# Altium PCB neuro_module.PcbDoc (part 3 of 5) (continued)
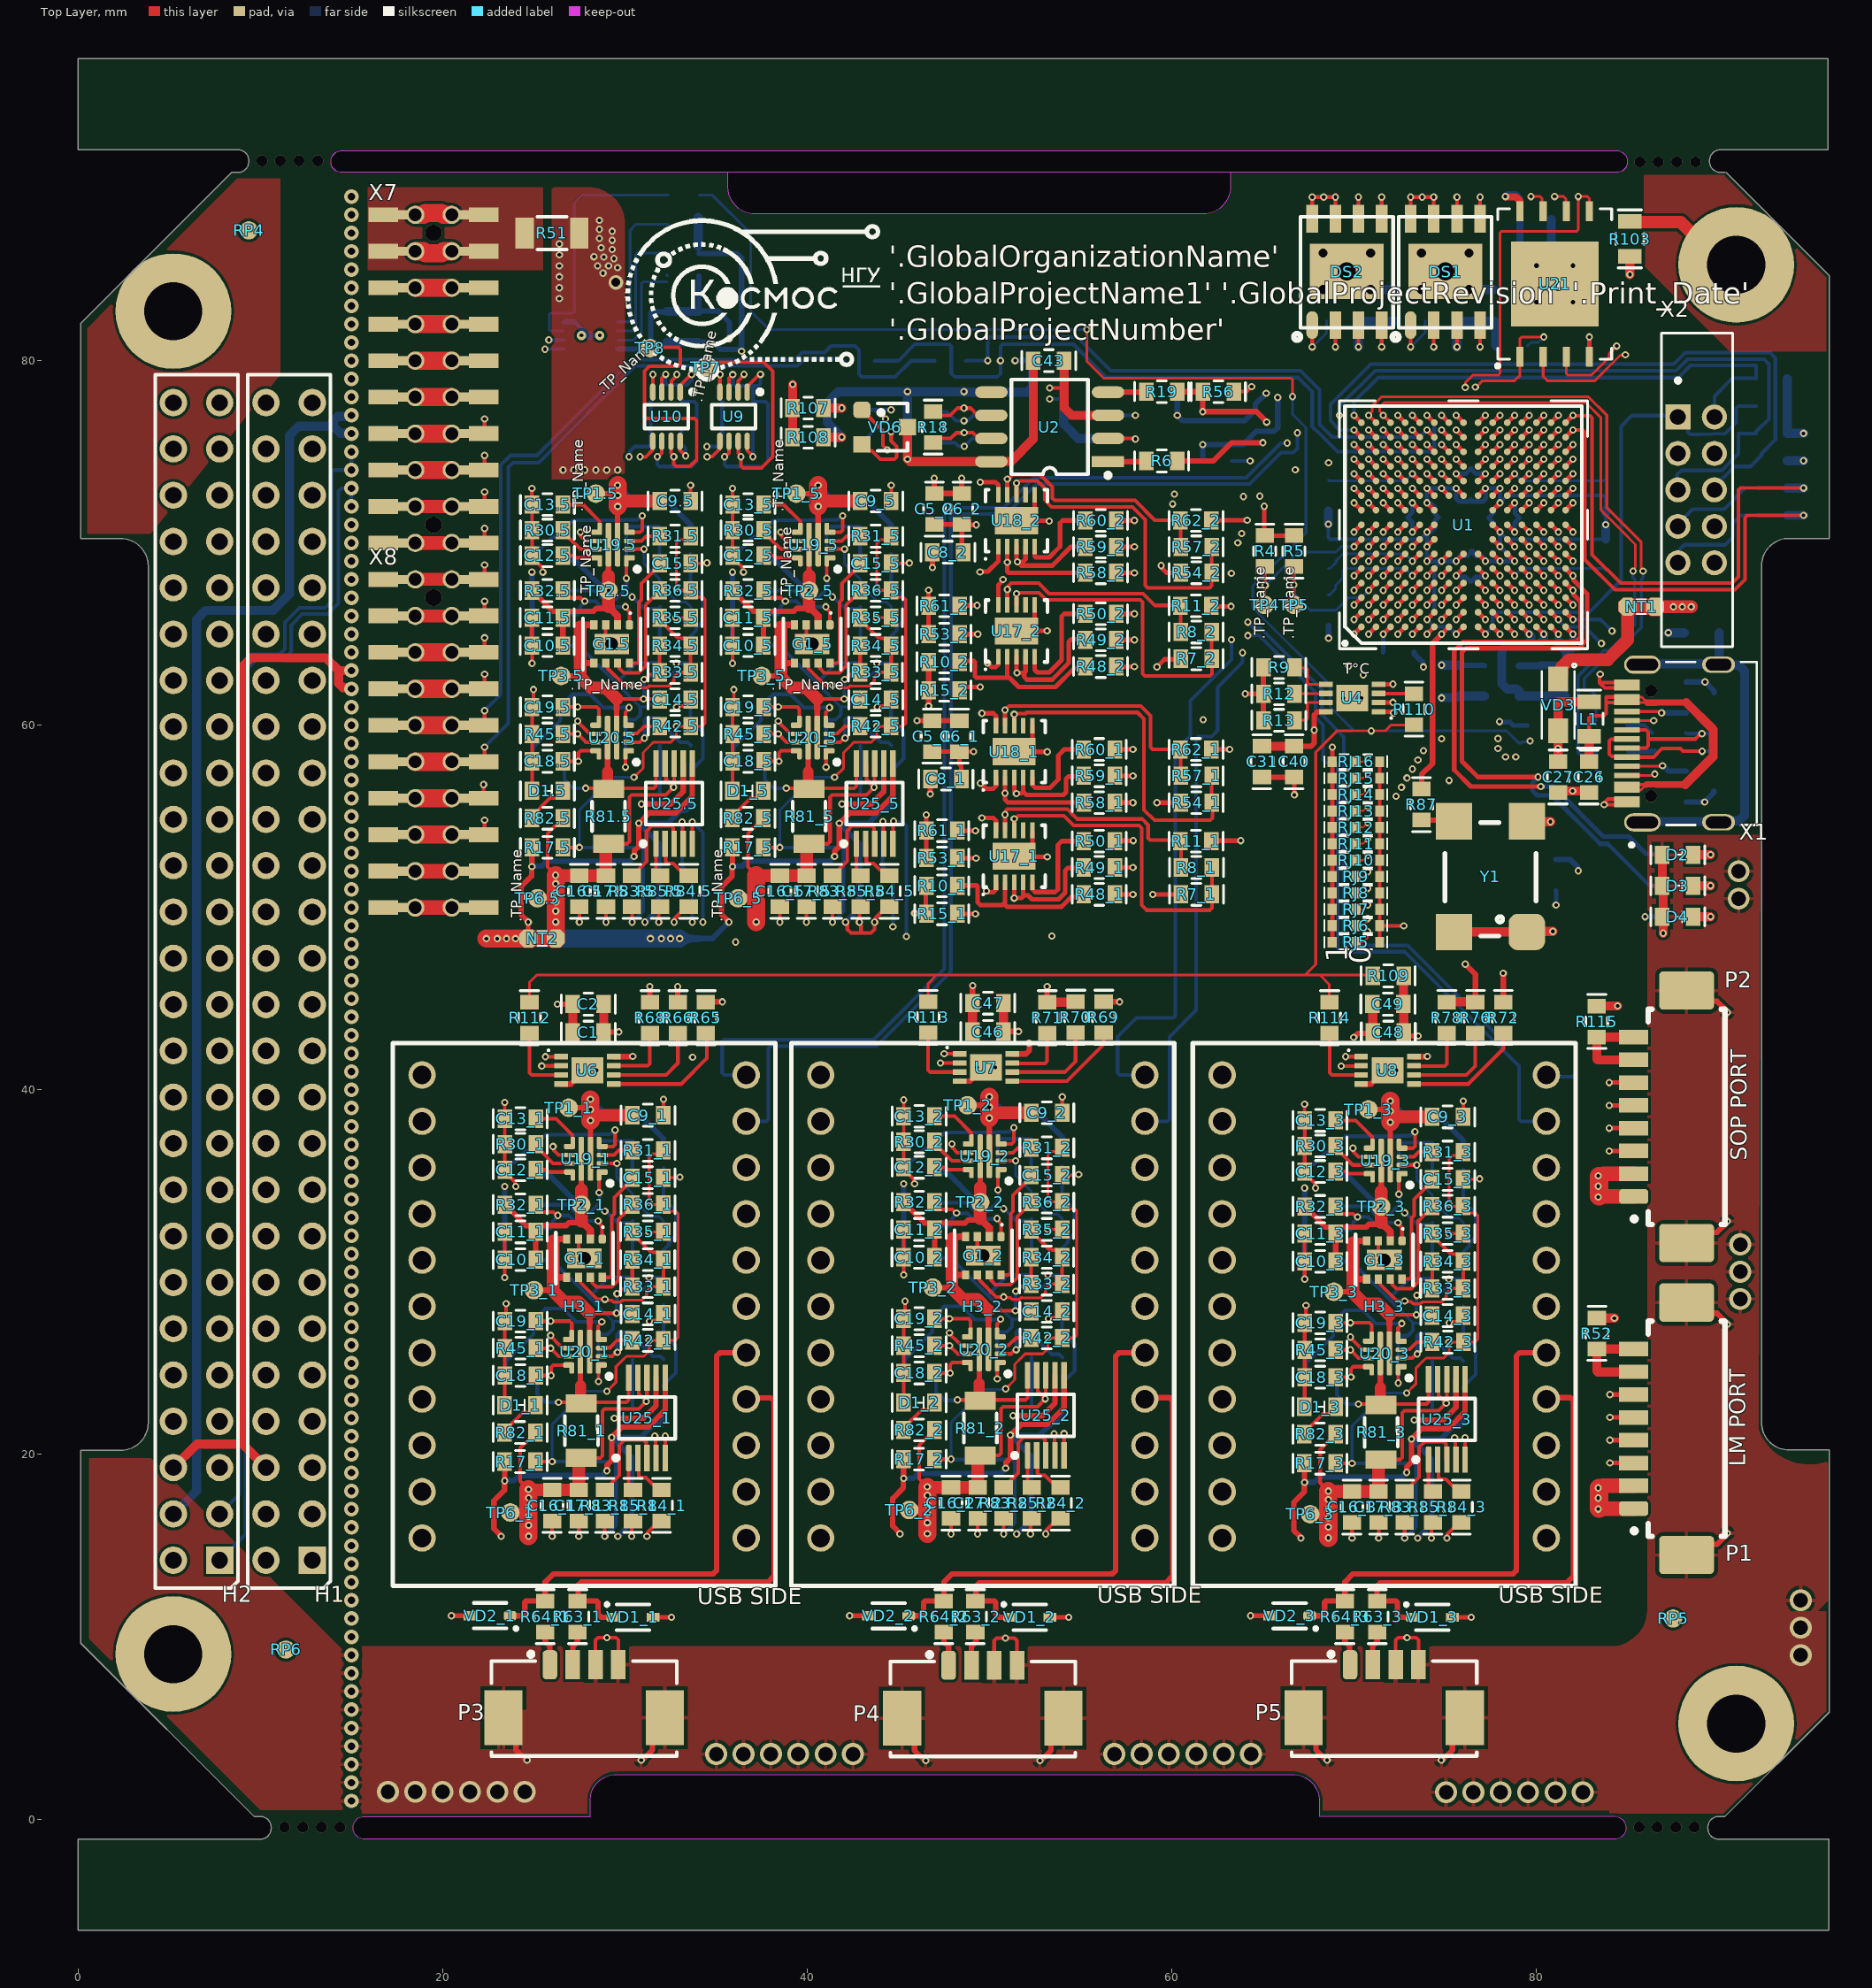
[diagram p0: Top Layer view]
## Nets (pads, with @x,y where several pads share a name; then routed paths per layer and width w, separated by ;. In a path a pad name is that pad's centre, name@x,y a point inside that pad or via, vN(x,y) a via of type N, cw(c..) or ccw(c..) an arc to the next point about the centre after c; other vN are vias at no path point) (continued)
  other v6: 27.442,41.072 28.442,41.072 71.333,41.072 72.333,41.072 49.309,41.224 50.309,41.224 69.401,61.493 70.401,61.493
  other v7: 80.005,83.21 82.005,83.21 82.005,85.21
  other v9: 27.618,81.382 28.618,81.382
GNDA: C38.1 C39.1 L5.2 U1.M1 U1.N1 | length 10.3
  Top Layer w0.25: U1.M1@79.2,65.4 v1(79.6,65) ; U1.N1@80,65.4 v1(80.4,65)
  Bottom Layer w0.5: v1(79.6,65) 79.7,64.9 79.7,64.4 ; C39.1@80.213,61.595 L5.2@79.053,61.595 79.053,61.845 78.903,61.995 78.393,61.995 78.1,62.288 78.1,64.107 78.393,64.4 79.7,64.4 ; C39.1@80.213,61.597 C38.1@81.559,61.597 ; v1(80.4,65) 80.4,64.693 80.107,64.4 79.7,64.4
LED_CONNECTION: R1.1 U1.R4 | length 30.5
  Top Layer w0.25: v1(80.243,56.634) 76.401,56.634 75.489,57.546 75.489,64.072 75.992,64.575 82.176,64.575 82.425,64.824 82.425,66.656 82.425,66.776 82.029,67.172 82.029,67.371 U1.R4@81.6,67.8
  Bottom Layer w0.25: v1(80.243,56.634) 80.932,56.634 83.666,53.9 85.063,53.9 86.012,52.951 86.901,52.951 R1.1@86.955,52.897
  other v1: 82,67.4
LED_MCU_STATE: R2.1 U1.R5 | length 32.3
  Top Layer w0.25: v1(80.093,57.163) 76.784,57.163 75.921,58.027 75.921,60.63 75.921,64.008 76.137,64.225 82.321,64.225 82.775,64.679 82.775,67.226 82.029,67.972 82.029,68.171 U1.R5@81.6,68.6
  Bottom Layer w0.25: v1(80.093,57.163) 80.093,57.156 79.768,56.831 79.768,56.437 80.047,56.159 80.842,56.159 83.5,53.5 83.914,53.5 86.217,51.197 R2.1@86.955,51.197
  other v1: 82,68.2
lm2_rs485.DE: R59_1.2 U1.D11 | length 40.8
  Top Layer w0.25: R59_1.2@56.869,57.226 v1(57.869,57.226) ; v1(72.4,73.8) U1.D11@72.8,73.4
  Signal Layer 2 w0.2: v1(57.869,57.226) 58.709,57.226 58.826,57.343 58.826,59.103 58.398,59.532 56.241,59.532 56.083,59.69 56.083,60.731 55.296,61.519 55.296,72.39 57.861,74.955 61.508,74.955 61.514,74.95 61.886,74.95 61.892,74.955 64.745,74.955 65.1,74.6 65.1,74.066 65.634,73.533 66.573,73.533 66.763,73.722 66.763,74.002 66.815,74.054 66.815,74.384 67.208,74.778 67.734,74.778 67.861,74.905 68.146,74.905 68.797,74.905 69.509,74.193 69.828,74.193 69.834,74.2 71.859,74.2 72.22,73.838 72.362,73.838 v1(72.4,73.8)
  other v1: 66.777,74.016
lm2_rs485.RX: R58_1.2 U1.R2 | length 47.8
  Top Layer w0.25: R58_1.2@56.871,55.753 v1(57.871,55.753) ; U1.R2@81.6,66.2 v1(82,65.8)
  Signal Layer 2 w0.2: v1(57.871,55.753) 58.586,55.038 59.549,55.038 59.549,48.689 60.765,47.473 71.739,47.473 72.277,48.011 72.277,50.916 72.853,51.491 72.853,51.528 81.984,60.659 81.995,60.659 82.88,61.544 84.15,62.814 v1(84.15,65.17)
  Bottom Layer w0.2: v1@82.057,65.806 82.064,65.8 83.52,65.8 83.854,65.466 v1(84.15,65.17)
lm2_rs485.TX: R60_1.2 U1.P2 | length 57.8
  Top Layer w0.25: R60_1.2@56.869,58.674 v1(57.869,58.674) ; U1.P2@80.8,66.2 v1(81.2,65.8)
  Signal Layer 2 w0.1: v1@57.843,58.699 v1(57.869,58.674)
  Signal Layer 2 w0.2: v1(57.869,58.674) 55.728,58.674 55.481,58.427 55.481,51.401 59.79,47.092 71.882,47.092 73.203,48.412 73.203,51.383 82.129,60.309 82.14,60.309 82.49,60.659 82.88,61.049 84.5,62.669 84.5,62.681 84.506,62.687 84.506,64.89 84.6,64.984 84.6,65.357 84.336,65.62 83.964,65.62 83.854,65.511 83.566,65.223 v1(83.566,64.491)
  Bottom Layer w0.2: v1(81.2,65.8) 81.6,65.4 82.657,65.4 v1(83.566,64.491)
lm_rs485.DE: R49_1.2 U1.A13 | length 38.6
  Top Layer w0.25: R49_1.2@56.869,52.197 v1(57.869,52.197) ; v1(70,75.4) U1.A13@70.4,75
  Signal Layer 1 w0.15: v1(63.932,72.542) 63.959,72.515 63.959,72.117 64.492,71.584 65.89,71.584 68.225,73.919 68.225,74.555 68.445,74.775 69.081,74.775 69.703,75.396 69.996,75.396 v1(70,75.4)
  Signal Layer 1 w0.2: v1(57.869,52.197) 60.58,52.197 64.232,55.849 64.232,59.365 63.83,59.766 62.255,59.766 v1(61.722,60.3)
  Signal Layer 2 w0.2: v1(61.722,60.3) 60.604,61.417 60.604,69.215 v1(63.932,72.542)
lm_rs485.RX: R48_1.2 U1.B12 | length 54
  Top Layer w0.25: R48_1.2@56.869,50.724 v1(57.869,50.724) ; v1(70.8,74.6) U1.B12@71.2,74.2
  Signal Layer 1 w0.1: v1(70.8,74.6) v1@70.845,74.645
  Signal Layer 1 w0.15: v1(57.869,50.724) 55.956,50.724 55.651,51.029 55.651,71.806 56.028,72.182 59.248,72.182 62.067,69.363 65.299,69.363 68.975,73.039 68.975,74.301 69.649,74.975 70.221,74.975 70.409,75.162 70.409,75.687 70.321,75.775 69.411,75.775 68.783,76.403 68.783,77.191 69.012,77.419 71.857,77.419 72.009,77.267 72.009,75.279 71.718,74.987 71.457,74.987 71.115,74.645 v1@70.845,74.645
lm_rs485.TX: R50_1.2 U1.C12 | length 47.5
  Top Layer w0.25: R50_1.2@56.869,53.645 56.894,53.67 v1(57.887,53.67) ; v1(71.6,74.6) U1.C12@72,74.2
  Signal Layer 1 w0.15: v1(71.6,74.6) v1@71.648,74.552
  Signal Layer 2 w0.1: v1@71.555,74.645 v1(71.6,74.6)
  Signal Layer 2 w0.2: v1(57.887,53.67) 56.312,53.67 55.905,54.077 55.905,58.023 56.023,58.141 58.277,58.141 58.395,58.258 58.395,59.03 58.242,59.182 55.845,59.182 55.728,59.299 55.728,60.515 54.762,61.48 54.762,73.965 56.948,76.15 65.022,76.15 66.141,75.031 66.953,75.031 67.062,75.139 67.303,75.139 67.424,75.26 68.146,75.26 68.866,75.26 69.126,75 70.966,75 71.321,74.645 71.414,74.645 71.42,74.638 71.548,74.638 v1@71.555,74.645
MEM_CS0: DS1.1 R97.2 U1.P9 | length 24.4
  Top Layer w0.2: v1(73.1,80.75) DS1.1@73.1,81.95
  Top Layer w0.25: U1.P9@80.8,71.8 v1(81.2,72.2)
  Signal Layer 1 w0.15: v1(81.2,72.2) 81.575,71.825 82.825,71.825 83.975,72.975 83.975,74.454 ; 83.741,78.854 83.854,78.741
  Signal Layer 1 w0.2: v1(73.1,80.75) 73.803,80.75 73.92,80.633 73.92,80.564 74.184,80.3 77.74,80.3 78.765,79.275 83.32,79.275 83.741,78.854 ; 83.854,78.741 83.975,78.62 83.975,74.454
  Bottom Layer w0.15: v1@73.1,80.763 v1(73.1,80.75) 73.9,81.55 R97.2@73.9,82.2
MEM_CS1: DS2.1 R98.2 U1.R9 | length 27.8
  Top Layer w0.2: v1(67.7,80.75) DS2.1@67.7,81.95
  Top Layer w0.25: U1.R9@81.6,71.8 v1(82,72.2)
  Signal Layer 1 w0.15: v1(82,72.2) 82.6,72.2 83.675,73.275 83.675,75.075
  Signal Layer 1 w0.2: v1(67.7,80.75) 68.15,80.3 73.689,80.3 74.039,79.95 77.595,79.95 78.645,78.9 83.2,78.9 83.246,78.854 83.675,78.425 83.675,75.075
  Bottom Layer w0.15: v1(67.7,80.75) 67.7,80.737 68.5,81.537 R98.2@68.5,82.187
MEM_CS2: U1.P10 | length 0.6
  Top Layer w0.25: U1.P10@80.8,72.6 v1(81.2,73)
MEM_CS3: U1.R10 | length 0.6
  Top Layer w0.25: U1.R10@81.6,72.6 v1(82,73)
  Signal Layer 1 w0.15: v1(82,73) v1@82.048,73.048
MEM_MISO: DS1.2 DS2.2 U1.P3 | length 34.9
  Top Layer w0.2: v1(68.97,80.75) DS2.2@68.97,81.95 ; v1(74.37,80.75) DS1.2@74.37,81.95
  Top Layer w0.25: U1.P3@80.8,67 v1(81.2,66.6)
  Signal Layer 1 w0.15: v1(68.97,80.75) 69.72,81.5 74.37,81.5 ; v1(74.37,80.75) 74.37,81.5 ; v1(81.2,66.6) 81.2,66.937 81.288,67.025 82.901,67.025 82.989,67.113 82.989,71.635 84.3,72.946 84.3,74.454 84.3,78.755 83.455,79.6 78.9,79.6 77,81.5 74.37,81.5
MEM_MOSI: DS1.5 DS2.5 U1.R3 | length 38.8
  Top Layer w0.2: DS2.5@71.51,87.775 v1(71.51,88.975) ; DS1.5@76.91,87.775 v1(76.91,88.975)
  Top Layer w0.25: U1.R3@81.6,67 v1(82,66.6)
  Signal Layer 1 w0.15: v1(71.51,88.975) 71.51,88.375 76.91,88.375 ; v1(76.91,88.975) 76.91,88.375 ; v1(82,66.6) 82.83,66.6 83.239,67.009 83.239,71.532 84.393,72.685 84.6,72.893 84.6,78.879 83.579,79.9 79.024,79.9 77.8,81.124 77.8,87.485 76.91,88.375
MEM_SCK: DS1.6 DS2.6 U1.P4 | length 44.1
  Top Layer w0.2: DS2.6@70.24,87.775 v1(70.24,88.975) ; DS1.6@75.64,87.775 v1(75.64,88.975)
  Top Layer w0.25: U1.P4@80.8,67.8 v1(81.2,67.4)
  Signal Layer 1 w0.15: v1(70.24,88.975) 70.24,89.44 70.3,89.5 75.64,89.5 75.7,89.5 ; v1(75.64,88.975) 75.64,89.44 75.7,89.5 ; v1(81.2,67.4) 80.8,67 80.8,66.47 81.045,66.225 82.808,66.225 83.489,66.906 83.489,69.913 84.395,70.819 84.9,71.324 84.9,79.003 83.703,80.2 79.149,80.2 78.1,81.249 78.1,88.5 77.1,89.5 75.7,89.5
NetC10.5_2: C10.5.2 C11.5.2 G1.5.2 R21.5.2 R32.5.1 TP2.5.0 U19.5.6 | length 14.7
  Top Layer w0.3: R32.5.1@24.903,67.388 24.903,67.288 25.153,67.038 25.262,67.038 26.05,66.25 26.35,66.25 C11.5.2@26.6,66 ; C10.5.2@26.6,64.375 C10.5.2@26.6,64.387 ; C10.5.2@26.669,64.456 C10.5.2@26.6,64.387 ; U19.5.6@29.1,69.911 29.1,68.21 29.103,68.208 ; 29.19,66.408 28.427,66.408 28.269,66.25 26.85,66.25 C11.5.2@26.6,66 ; C10.5.2@26.6,64.387 C11.5.2@26.6,66
  Top Layer w0.4: 29.1,66.497 29.597,66 G1.5.2@29.597,65.506
  Top Layer w0.7: 29.1,66.497 v1(29.1,67.387) 29.103,67.39 29.103,68.208
  Bottom Layer w0.3: R21.5.2@26.601,69.307 26.846,69.062 27.276,69.062 28.931,67.407 29.081,67.407 v1(29.1,67.387)
NetC10_1_2: C10_1.2 C11_1.2 G1_1.2 R21_1.2 R32_1.1 TP2_1.0 U19_1.6 | length 14.7
  Top Layer w0.3: R32_1.1@23.412,33.697 23.412,33.597 23.662,33.347 23.771,33.347 24.559,32.559 24.859,32.559 C11_1.2@25.109,32.309 ; C10_1.2@25.109,30.684 C10_1.2@25.109,30.696 ; C10_1.2@25.179,30.766 C10_1.2@25.109,30.696 ; U19_1.6@27.61,36.22 27.61,34.52 27.612,34.517 ; 27.699,32.717 26.936,32.717 26.778,32.559 25.359,32.559 C11_1.2@25.109,32.309 ; C10_1.2@25.109,30.696 C11_1.2@25.109,32.309
  Top Layer w0.4: 27.61,32.807 28.107,32.31 G1_1.2@28.107,31.816
  Top Layer w0.7: 27.61,32.807 v1(27.61,33.697) 27.612,33.699 27.612,34.517
  Bottom Layer w0.3: R21_1.2@25.111,35.616 25.355,35.371 25.785,35.371 27.44,33.716 27.591,33.716 v1(27.61,33.697)
NetC10_2_2: C10_2.2 C11_2.2 G1_2.2 R21_2.2 R32_2.1 TP2_2.0 U19_2.6 | length 14.7
  Top Layer w0.3: R32_2.1@45.291,33.834 45.291,33.734 45.541,33.484 45.65,33.484 46.438,32.696 46.738,32.696 C11_2.2@46.988,32.446 ; C10_2.2@46.988,30.821 C10_2.2@46.988,30.833 ; C10_2.2@47.058,30.903 C10_2.2@46.988,30.833 ; U19_2.6@49.489,36.357 49.489,34.657 49.491,34.654 ; 49.578,32.854 48.815,32.854 48.657,32.696 47.238,32.696 C11_2.2@46.988,32.446 ; C10_2.2@46.988,30.833 C11_2.2@46.988,32.446
  Top Layer w0.4: 49.489,32.944 49.986,32.447 G1_2.2@49.986,31.953
  Top Layer w0.7: 49.489,32.944 v1(49.489,33.834) 49.491,33.836 49.491,34.654
  Bottom Layer w0.3: R21_2.2@46.99,35.728 47.234,35.483 47.664,35.483 49.319,33.827 49.47,33.827 v1@49.489,33.808
NetC10_3_2: C10_3.2 C11_3.2 G1_3.2 R21_3.2 R32_3.1 TP2_3.0 U19_3.6 | length 14.7
  Top Layer w0.3: R32_3.1@67.287,33.606 67.287,33.506 67.537,33.256 67.647,33.256 68.435,32.468 68.735,32.468 C11_3.2@68.985,32.218 ; C10_3.2@68.985,30.593 C10_3.2@68.985,30.605 ; C10_3.2@69.054,30.674 C10_3.2@68.985,30.605 ; U19_3.6@71.485,36.129 71.485,34.428 71.487,34.426 ; 71.574,32.626 70.811,32.626 70.653,32.468 69.235,32.468 C11_3.2@68.985,32.218 ; C10_3.2@68.985,30.605 C11_3.2@68.985,32.218
  Top Layer w0.4: 71.485,32.715 71.982,32.218 G1_3.2@71.982,31.724
  Top Layer w0.7: 71.485,32.715 v1(71.485,33.605) 71.487,33.607 71.487,34.426
  Bottom Layer w0.3: R21_3.2@68.986,35.524 69.231,35.28 69.66,35.28 71.316,33.624 71.466,33.624 v1(71.485,33.605)
NetC10_5_2: C10_5.2 C11_5.2 G1_5.2 R21_5.2 R32_5.1 TP2_5.0 U19_5.6 | length 14.7
  Top Layer w0.3: R32_5.1@35.903,67.388 35.903,67.288 36.153,67.038 36.262,67.038 37.05,66.25 37.35,66.25 C11_5.2@37.6,66 ; C10_5.2@37.6,64.375 C10_5.2@37.6,64.387 ; C10_5.2@37.669,64.456 C10_5.2@37.6,64.387 ; U19_5.6@40.1,69.911 40.1,68.21 40.103,68.208 ; 40.19,66.408 39.427,66.408 39.269,66.25 37.85,66.25 C11_5.2@37.6,66 ; C10_5.2@37.6,64.387 C11_5.2@37.6,66
  Top Layer w0.4: 40.1,66.497 40.597,66 G1_5.2@40.597,65.506
  Top Layer w0.7: 40.1,66.497 v1(40.1,67.387) 40.103,67.39 40.103,68.208
  Bottom Layer w0.3: R21_5.2@37.601,69.307 37.846,69.062 38.276,69.062 39.931,67.407 40.081,67.407 v1(40.1,67.387)
NetC12.5_2: C12.5.2 U19.5.10 | length 1.9
  Top Layer w0.2: C12.5.2@26.603,69.308 26.605,69.305 27.185,69.305 27.305,69.186 U19.5.10@28.45,69.186
NetC12_1_2: C12_1.2 U19_1.10 | length 1.9
  Top Layer w0.2: C12_1.2@25.112,35.617 25.115,35.615 25.695,35.615 25.814,35.495 U19_1.10@26.96,35.495
NetC12_2_2: C12_2.2 U19_2.10 | length 1.9
  Top Layer w0.2: C12_2.2@46.991,35.754 46.993,35.752 47.574,35.752 47.693,35.632 U19_2.10@48.839,35.632
NetC12_3_2: C12_3.2 U19_3.10 | length 1.9
  Top Layer w0.2: C12_3.2@68.987,35.526 68.99,35.523 69.57,35.523 69.689,35.404 U19_3.10@70.835,35.404
NetC12_5_2: C12_5.2 U19_5.10 | length 1.9
  Top Layer w0.2: C12_5.2@37.603,69.308 37.605,69.305 38.185,69.305 38.305,69.186 U19_5.10@39.45,69.186
NetC13.5_2: C13.5.2 U19.5.7 | length 2.8
  Top Layer w0.2: C13.5.2@26.603,72.108 27.703,72.108 28.606,71.204 28.606,70.78 U19.5.7@28.625,70.761
NetC13_1_2: C13_1.2 U19_1.7 | length 2.8
  Top Layer w0.2: C13_1.2@25.112,38.417 26.212,38.417 27.116,37.514 27.116,37.089 U19_1.7@27.135,37.07
NetC13_2_2: C13_2.2 U19_2.7 | length 2.8
  Top Layer w0.2: C13_2.2@46.991,38.554 48.091,38.554 48.994,37.651 48.994,37.226 U19_2.7@49.014,37.207
NetC13_3_2: C13_3.2 U19_3.7 | length 2.8
  Top Layer w0.2: C13_3.2@68.987,38.326 70.087,38.326 70.991,37.422 70.991,36.998 U19_3.7@71.01,36.979
NetC13_5_2: C13_5.2 U19_5.7 | length 2.8
  Top Layer w0.2: C13_5.2@37.603,72.108 38.703,72.108 39.606,71.204 39.606,70.78 U19_5.7@39.625,70.761
NetC14.5_2: C14.5.2 G1.5.4 G1.5.5 R33.5.1 R34.5.1 R37.5.2 TP3.5.0 U20.5.5 | length 19.2
  Top Layer w0.2: 29.405,61.443 v1(31.029,61.443) 31.857,61.443 C14.5.2@31.9,61.4 ; v1(31.052,62.509) 31.317,62.774 31.774,62.774 R33.5.1@31.9,62.9 R34.5.1@31.9,64.375
  Top Layer w0.3: TP3.5.0@26.503,62.708 27.499,62.708 27.549,62.657 ; U20.5.5@29.55,59.325 29.55,60.861
  Top Layer w0.35: 27.549,63.523 27.666,63.406 G1.5.5@28.297,63.406 ; 27.549,65.389 27.666,65.506 G1.5.4@28.297,65.506 ; 29.55,60.861 29.55,61.443
  Top Layer w0.7: 27.549,65.389 27.549,63.523 27.549,62.657 28.157,62.05 28.943,62.05 29.55,61.443
  Bottom Layer w0.17: v1(31.052,62.509) 31.114,62.509 31.276,62.67 32.417,62.67 32.774,63.027 32.774,63.356 v1(32.818,63.4)
  Bottom Layer w0.2: v1(31.029,61.443) 31.041,61.454 31.041,62.497 v1(31.052,62.509) ; v1(32.818,63.4) 33.586,63.4 R37.5.2@33.611,63.425
NetC14_1_2: C14_1.2 G1_1.4 G1_1.5 R33_1.1 R34_1.1 R37_1.2 TP3_1.0 U20_1.5 | length 19.2
  Top Layer w0.2: 27.914,27.752 v1(29.538,27.752) 30.367,27.752 C14_1.2@30.409,27.709 ; v1(29.561,28.818) 29.826,29.083 30.283,29.083 R33_1.1@30.409,29.209 R34_1.1@30.409,30.684
  Top Layer w0.3: TP3_1.0@25.012,29.017 26.008,29.017 26.059,28.966 ; U20_1.5@28.059,25.634 28.059,27.17
  Top Layer w0.35: 26.059,29.833 26.176,29.716 G1_1.5@26.807,29.716 ; 26.059,31.698 26.176,31.816 G1_1.4@26.807,31.816 ; 28.059,27.17 28.059,27.752
  Top Layer w0.7: 26.059,31.698 26.059,29.833 26.059,28.966 26.666,28.359 27.452,28.359 28.059,27.752
  Bottom Layer w0.17: v1(29.561,28.818) 29.624,28.818 29.785,28.979 30.926,28.979 31.283,29.336 31.283,29.665 v1(31.327,29.709)
  Bottom Layer w0.2: v1(29.538,27.752) 29.55,27.763 29.55,28.807 v1(29.561,28.818) ; v1(31.327,29.709) 32.095,29.709 R37_1.2@32.121,29.734
NetC14_2_2: C14_2.2 G1_2.4 G1_2.5 R33_2.1 R34_2.1 R37_2.2 TP3_2.0 U20_2.5 | length 19.2
  Top Layer w0.2: 49.793,27.889 v1(51.417,27.889) 52.246,27.889 C14_2.2@52.288,27.846 ; v1(51.44,28.955) 51.705,29.22 52.162,29.22 R33_2.1@52.288,29.346 R34_2.1@52.288,30.821
  Top Layer w0.3: TP3_2.0@46.891,29.154 47.887,29.154 47.938,29.103 ; U20_2.5@49.938,25.771 49.938,27.307
  Top Layer w0.35: 47.938,29.97 48.055,29.853 G1_2.5@48.686,29.853 ; 47.938,31.835 48.055,31.953 G1_2.4@48.686,31.953 ; 49.938,27.307 49.938,27.889
  Top Layer w0.7: 47.938,31.835 47.938,29.97 47.938,29.103 48.545,28.496 49.331,28.496 49.938,27.889
  Bottom Layer w0.17: v1@51.44,28.93 51.502,28.93 51.664,29.091 52.805,29.091 53.162,29.448 53.162,29.777 v1@53.206,29.821
  Bottom Layer w0.2: v1@51.417,27.863 51.429,27.875 51.429,28.918 v1@51.44,28.93 ; v1@53.206,29.821 53.974,29.821 R37_2.2@53.999,29.846
  other v1: 53.206,29.846
NetC14_3_2: C14_3.2 G1_3.4 G1_3.5 R33_3.1 R34_3.1 R37_3.2 TP3_3.0 U20_3.5 | length 19.2
  Top Layer w0.2: 71.789,27.66 v1(73.414,27.66) 74.242,27.66 C14_3.2@74.285,27.618 ; v1(73.437,28.727) 73.702,28.992 74.159,28.992 R33_3.1@74.285,29.118 R34_3.1@74.285,30.593
  Top Layer w0.3: TP3_3.0@68.887,28.926 69.883,28.926 69.934,28.875 ; U20_3.5@71.935,25.543 71.935,27.078
  Top Layer w0.35: 69.934,29.741 70.051,29.624 G1_3.5@70.682,29.624 ; 69.934,31.607 70.051,31.724 G1_3.4@70.682,31.724 ; 71.935,27.078 71.935,27.66
  Top Layer w0.7: 69.934,31.607 69.934,29.741 69.934,28.875 70.541,28.268 71.327,28.268 71.935,27.66
  Bottom Layer w0.17: v1(73.437,28.727) 73.499,28.727 73.66,28.888 74.801,28.888 75.158,29.245 75.158,29.574 v1(75.202,29.618)
  Bottom Layer w0.2: v1(73.414,27.66) 73.425,27.672 73.425,28.715 v1(73.437,28.727) ; v1(75.202,29.618) 75.971,29.618 R37_3.2@75.996,29.643
NetC14_5_2: C14_5.2 G1_5.4 G1_5.5 R33_5.1 R34_5.1 R37_5.2 TP3_5.0 U20_5.5 | length 19.2
  Top Layer w0.2: 40.405,61.443 v1(42.029,61.443) 42.857,61.443 C14_5.2@42.9,61.4 ; v1(42.052,62.509) 42.317,62.774 42.774,62.774 R33_5.1@42.9,62.9 R34_5.1@42.9,64.375
  Top Layer w0.3: TP3_5.0@37.503,62.708 38.499,62.708 38.549,62.657 ; U20_5.5@40.55,59.325 40.55,60.861
  Top Layer w0.35: 38.549,63.523 38.666,63.406 G1_5.5@39.297,63.406 ; 38.549,65.389 38.666,65.506 G1_5.4@39.297,65.506 ; 40.55,60.861 40.55,61.443
  Top Layer w0.7: 38.549,65.389 38.549,63.523 38.549,62.657 39.157,62.05 39.943,62.05 40.55,61.443
  Bottom Layer w0.17: v1(42.052,62.509) 42.114,62.509 42.276,62.67 43.417,62.67 43.774,63.027 43.774,63.356 v1(43.818,63.4)
  Bottom Layer w0.2: v1(42.029,61.443) 42.041,61.454 42.041,62.497 v1(42.052,62.509) ; v1(43.818,63.4) 44.586,63.4 R37_5.2@44.611,63.425
NetC15.5_2: C15.5.2 G1.5.8 | length 6.4
  Top Layer w0.2: G1.5.8@30.247,63.406 30.655,63.406 30.772,63.523 30.772,66.757 30.906,66.89 30.906,67.781 31.9,68.775 C15.5.2@31.9,68.875
NetC15_1_2: C15_1.2 G1_1.8 | length 6.4
  Top Layer w0.2: G1_1.8@28.757,29.716 29.165,29.716 29.282,29.833 29.282,33.066 29.415,33.199 29.415,34.09 30.409,35.084 C15_1.2@30.409,35.184
NetC15_2_2: C15_2.2 G1_2.8 | length 6.4
  Top Layer w0.2: G1_2.8@50.636,29.853 51.044,29.853 51.161,29.97 51.161,33.203 51.294,33.336 51.294,34.227 52.288,35.221 C15_2.2@52.288,35.321
NetC15_3_2: C15_3.2 G1_3.8 | length 6.4
  Top Layer w0.2: G1_3.8@72.632,29.624 73.04,29.624 73.157,29.741 73.157,32.974 73.291,33.108 73.291,33.999 74.285,34.993 C15_3.2@74.285,35.093
NetC15_5_2: C15_5.2 G1_5.8 | length 6.4
  Top Layer w0.2: G1_5.8@41.247,63.406 41.655,63.406 41.772,63.523 41.772,66.757 41.906,66.89 41.906,67.781 42.9,68.775 C15_5.2@42.9,68.875
NetC18.5_2: C18.5.2 U20.5.10 | length 2.3
  Top Layer w0.2: C18.5.2@26.603,58.023 v1(27.448,58.023) 27.448,58.473 27.575,58.6 U20.5.10@28.4,58.6
NetC18_1_2: C18_1.2 U20_1.10 | length 2.3
  Top Layer w0.2: C18_1.2@25.112,24.332 v1(25.957,24.332) 25.957,24.783 26.084,24.909 U20_1.10@26.909,24.909
NetC18_2_2: C18_2.2 U20_2.10 | length 2.3
  Top Layer w0.2: C18_2.2@46.991,24.469 v1(47.836,24.469) 47.836,24.92 47.963,25.046 U20_2.10@48.788,25.046
NetC18_3_2: C18_3.2 U20_3.10 | length 2.3
  Top Layer w0.2: C18_3.2@68.987,24.24 v1(69.833,24.24) 69.833,24.691 69.959,24.818 U20_3.10@70.785,24.818
NetC18_5_2: C18_5.2 U20_5.10 | length 2.3
  Top Layer w0.2: C18_5.2@37.603,58.023 v1(38.448,58.023) 38.448,58.473 38.575,58.6 U20_5.10@39.4,58.6
NetC19.5_2: C19.5.2 U20.5.7 | length 2.7
  Top Layer w0.2: C19.5.2@26.603,61.004 v1(27.413,61.004) 28.458,61.004 28.575,60.887 U20.5.7@28.575,60.225
NetC19_1_2: C19_1.2 U20_1.7 | length 2.7
  Top Layer w0.2: C19_1.2@25.112,27.313 v1(25.923,27.313) 26.967,27.313 27.084,27.196 U20_1.7@27.084,26.534
NetC19_2_2: C19_2.2 U20_2.7 | length 2.7
  Top Layer w0.2: C19_2.2@46.991,27.45 v1(47.802,27.45) 48.846,27.45 48.963,27.333 U20_2.7@48.963,26.671
NetC19_3_2: C19_3.2 U20_3.7 | length 2.7
  Top Layer w0.2: C19_3.2@68.987,27.222 v1(69.798,27.222) 70.842,27.222 70.96,27.105 U20_3.7@70.96,26.443
NetC19_5_2: C19_5.2 U20_5.7 | length 2.7
  Top Layer w0.2: C19_5.2@37.603,61.004 v1(38.413,61.004) 39.458,61.004 39.575,60.887 U20_5.7@39.575,60.225
NetC27_2: C27.2 C28.2 L1.2 VD3.2 | length 6.1
  Top Layer w0.5: C27.2@81.19,58.093 v1(81.19,58.718) VD3.2@81.19,59.693 81.19,61.293 L1.2@82.89,61.293
  Bottom Layer w0.5: v1(81.19,58.718) C28.2@81.19,59.966
NetC34_2: C34.2 U1.E11 | length 5.4
  Top Layer w0.25: v1(73.2,73.8) U1.E11@73.6,73.4
  Bottom Layer w0.15: C34.2@68.587,73.45 68.628,73.408 72.808,73.408 v1(73.2,73.8)
NetC35_2: C35.2 U1.L11 | length 5.8
  Top Layer w0.25: U1.L11@78.4,73.4 v1(78.8,73.8)
  Bottom Layer w0.15: v1(78.8,73.8) 79.2,73.4 83.7,73.4 C35.2@83.8,73.5
NetD1.5_1: D1.5.1 R82.5.2 | length 2.4
  Top Layer w0.2: R82.5.2@24.891,54.9 24.891,55 25.891,56 26.291,56 26.591,56.3 D1.5.1@26.591,56.4
NetD1_1_1: D1_1.1 R82_1.2 | length 2.4
  Top Layer w0.2: R82_1.2@23.401,21.209 23.401,21.309 24.401,22.309 24.801,22.309 25.101,22.609 D1_1.1@25.101,22.709
NetD1_2_1: D1_2.1 R82_2.2 | length 2.4
  Top Layer w0.2: R82_2.2@45.28,21.346 45.28,21.446 46.28,22.446 46.68,22.446 46.98,22.746 D1_2.1@46.98,22.846
NetD1_3_1: D1_3.1 R82_3.2 | length 2.4
  Top Layer w0.2: R82_3.2@67.276,21.118 67.276,21.218 68.276,22.218 68.676,22.218 68.976,22.518 D1_3.1@68.976,22.618
NetD1_5_1: D1_5.1 R82_5.2 | length 2.4
  Top Layer w0.2: R82_5.2@35.891,54.9 35.891,55 36.891,56 37.291,56 37.591,56.3 D1_5.1@37.591,56.4
NetD2_1: D2.1 R1.2 | length 1.9
  Top Layer w0.5: D2.1@88.604,52.897 v1(89.555,52.897)
  Bottom Layer w0.5: R1.2@88.655,52.897 v1(89.555,52.897)
NetD3_1: D3.1 R2.2 | length 1.9
  Top Layer w0.5: D3.1@88.604,51.197 v1(89.555,51.197)
  Bottom Layer w0.5: R2.2@88.655,51.197 v1(89.555,51.197)
NetD4_1: D4.1 R3.2 | length 1.9
  Top Layer w0.5: D4.1@88.604,49.497 v1(89.555,49.497)
  Bottom Layer w0.5: R3.2@88.655,49.497 v1(89.555,49.497)
NetG1.5_1: G1.5.1 R26.5.1 R32.5.2 | length 6.7
  Top Layer w0.2: R32.5.2@26.603,67.388 26.767,67.224 26.767,67.124 26.903,66.988 27.569,66.988 27.749,66.808 v1(27.803,66.808) ; v1(30.025,66.497) 30.025,66.443 30.244,66.224 30.244,65.51 G1.5.1@30.247,65.506
  Bottom Layer w0.2: R26.5.1@26.6,65.9 26.783,66.083 27.414,66.083 27.555,66.224 27.555,66.507 27.803,66.754 v1(27.803,66.808) 28.392,66.808 28.703,66.497 v1(30.025,66.497)
NetG1.5_6: G1.5.6 R33.5.2 R34.5.2 R35.5.1 | length 9.8
  Top Layer w0.15: 31.337,62.15 32.411,62.15
  Top Layer w0.17: v1(30.391,62.2) 30.435,62.156 30.762,62.156 30.864,62.054 31.241,62.054 31.337,62.15 31.389,62.15 ; 32.411,62.15 32.678,62.417 32.678,62.633 32.945,62.9 R33.5.2@33.6,62.9
  Top Layer w0.2: G1.5.6@28.947,63.406 29.047,63.306 29.047,63.125 29.972,62.2 v1(30.391,62.2) ; R35.5.1@31.9,65.9 31.9,65.8 32.925,64.775 33.3,64.775 33.6,64.475 R34.5.2@33.6,64.375 R33.5.2@33.6,62.9
NetG1.5_7: G1.5.7 R36.5.2 | length 6.5
  Top Layer w0.2: G1.5.7@29.597,63.406 29.697,63.306 29.697,63.112 29.93,62.879 30.762,62.879 31.142,63.259 31.142,66.603 31.539,67 31.6,67 31.9,67.3 R36.5.2@31.9,67.4
NetG1_1_1: G1_1.1 R26_1.1 R32_1.2 | length 6.7
  Top Layer w0.2: R32_1.2@25.112,33.697 25.276,33.533 25.276,33.433 25.412,33.297 26.078,33.297 26.258,33.117 v1(26.312,33.117) ; v1(28.534,32.807) 28.534,32.753 28.753,32.534 28.753,31.819 G1_1.1@28.757,31.816
  Bottom Layer w0.2: R26_1.1@25.109,32.209 25.292,32.392 25.923,32.392 26.065,32.533 26.065,32.816 26.312,33.063 v1(26.312,33.117) ; v1(26.312,33.117) 26.901,33.117 27.212,32.807 v1(28.534,32.807)
NetG1_1_6: G1_1.6 R33_1.2 R34_1.2 R35_1.1 | length 9.8
  Top Layer w0.15: 29.846,28.459 30.92,28.459
  Top Layer w0.17: v1(28.901,28.509) 28.945,28.465 29.271,28.465 29.373,28.363 29.75,28.363 29.846,28.459 29.899,28.459 ; 30.92,28.459 31.187,28.726 31.187,28.942 31.454,29.209 R33_1.2@32.109,29.209
  Top Layer w0.2: G1_1.6@27.457,29.716 27.557,29.616 27.557,29.434 28.481,28.509 v1(28.901,28.509) ; R35_1.1@30.409,32.209 30.409,32.109 31.434,31.084 31.809,31.084 32.109,30.784 R34_1.2@32.109,30.684 R33_1.2@32.109,29.209
NetG1_1_7: G1_1.7 R36_1.2 | length 6.5
  Top Layer w0.2: G1_1.7@28.107,29.716 28.207,29.616 28.207,29.421 28.44,29.188 29.271,29.188 29.652,29.568 29.652,32.912 30.049,33.309 30.109,33.309 30.409,33.609 R36_1.2@30.409,33.709
NetG1_2_1: G1_2.1 R26_2.1 R32_2.2 | length 6.7
  Top Layer w0.2: R32_2.2@46.991,33.834 47.155,33.67 47.155,33.57 47.291,33.434 47.957,33.434 48.137,33.254 v1(48.191,33.254) ; v1(50.413,32.944) 50.413,32.89 50.632,32.671 50.632,31.956 G1_2.1@50.636,31.953
  Bottom Layer w0.2: R26_2.1@46.988,32.321 47.171,32.504 47.802,32.504 47.944,32.645 47.944,32.927 48.191,33.175 48.191,33.229 48.78,33.229 49.091,32.918 v1@50.413,32.918
NetG1_2_6: G1_2.6 R33_2.2 R34_2.2 R35_2.1 | length 9.8
  Top Layer w0.15: 51.725,28.596 52.799,28.596
  Top Layer w0.17: v1(50.779,28.646) 50.823,28.602 51.15,28.602 51.252,28.5 51.629,28.5 51.725,28.596 51.778,28.596 ; 52.799,28.596 53.066,28.863 53.066,29.079 53.333,29.346 R33_2.2@53.988,29.346
  Top Layer w0.2: G1_2.6@49.336,29.853 49.436,29.753 49.436,29.571 50.36,28.646 v1(50.779,28.646) ; R35_2.1@52.288,32.346 52.288,32.246 53.313,31.221 53.688,31.221 53.988,30.921 R34_2.2@53.988,30.821 R33_2.2@53.988,29.346
NetG1_2_7: G1_2.7 R36_2.2 | length 6.5
  Top Layer w0.2: G1_2.7@49.986,29.853 50.086,29.753 50.086,29.558 50.319,29.325 51.15,29.325 51.531,29.705 51.531,33.049 51.927,33.446 51.988,33.446 52.288,33.746 R36_2.2@52.288,33.846
NetG1_3_1: G1_3.1 R26_3.1 R32_3.2 | length 6.7
  Top Layer w0.2: R32_3.2@68.987,33.606 69.151,33.441 69.151,33.341 69.287,33.206 69.953,33.206 70.133,33.026 v1(70.187,33.026) ; v1(72.41,32.715) 72.41,32.661 72.629,32.442 72.629,31.727 G1_3.1@72.632,31.724
  Bottom Layer w0.2: R26_3.1@68.985,32.118 69.167,32.3 69.799,32.3 69.94,32.442 69.94,32.724 70.187,32.972 v1(70.187,33.026) 70.777,33.026 71.087,32.715 v1(72.41,32.715)
NetG1_3_6: G1_3.6 R33_3.2 R34_3.2 R35_3.1 | length 9.8
  Top Layer w0.15: 73.721,28.368 74.795,28.368
  Top Layer w0.17: v1(72.776,28.418) 72.82,28.374 73.146,28.374 73.248,28.272 73.625,28.272 73.721,28.368 73.774,28.368 ; 74.795,28.368 75.062,28.635 75.062,28.85 75.33,29.118 R33_3.2@75.985,29.118
  Top Layer w0.2: G1_3.6@71.332,29.624 71.432,29.524 71.432,29.342 72.357,28.418 v1(72.776,28.418) ; R35_3.1@74.285,32.118 74.285,32.018 75.31,30.993 75.685,30.993 75.985,30.693 R34_3.2@75.985,30.593 R33_3.2@75.985,29.118
NetG1_3_7: G1_3.7 R36_3.2 | length 6.5
  Top Layer w0.2: G1_3.7@71.982,29.624 72.082,29.524 72.082,29.329 72.315,29.096 73.147,29.096 73.527,29.477 73.527,32.821 73.924,33.218 73.985,33.218 74.285,33.518 R36_3.2@74.285,33.618
NetG1_5_1: G1_5.1 R26_5.1 R32_5.2 | length 6.7
  Top Layer w0.2: R32_5.2@37.603,67.388 37.767,67.224 37.767,67.124 37.903,66.988 38.569,66.988 38.749,66.808 v1(38.803,66.808) ; v1(41.025,66.497) 41.025,66.443 41.244,66.224 41.244,65.51 G1_5.1@41.247,65.506
  Bottom Layer w0.2: R26_5.1@37.6,65.9 37.783,66.083 38.414,66.083 38.555,66.224 38.555,66.507 38.803,66.754 v1(38.803,66.808) 39.392,66.808 39.703,66.497 v1(41.025,66.497)
NetG1_5_6: G1_5.6 R33_5.2 R34_5.2 R35_5.1 | length 9.8
  Top Layer w0.15: 42.337,62.15 43.411,62.15
  Top Layer w0.17: v1(41.391,62.2) 41.435,62.156 41.762,62.156 41.864,62.054 42.241,62.054 42.337,62.15 42.389,62.15 ; 43.411,62.15 43.678,62.417 43.678,62.633 43.945,62.9 R33_5.2@44.6,62.9
  Top Layer w0.2: G1_5.6@39.947,63.406 40.047,63.306 40.047,63.125 40.972,62.2 v1(41.391,62.2) ; R35_5.1@42.9,65.9 42.9,65.8 43.925,64.775 44.3,64.775 44.6,64.475 R34_5.2@44.6,64.375 R33_5.2@44.6,62.9
NetG1_5_7: G1_5.7 R36_5.2 | length 6.5
  Top Layer w0.2: G1_5.7@40.597,63.406 40.697,63.306 40.697,63.112 40.93,62.879 41.762,62.879 42.142,63.259 42.142,66.603 42.539,67 42.6,67 42.9,67.3 R36_5.2@42.9,67.4
NetH1_19: H1.19
NetH1_20: H1.20
NetH1_23: H1.23
NetH1_24: H1.24
NetH1_25: H1.25
NetH1_26: H1.26
NetH1_27: H1.27
NetH1_28: H1.28
NetH1_29: H1.29
NetH1_30: H1.30
NetH1_31: H1.31
NetH1_32: H1.32
NetH1_33: H1.33
NetH1_34: H1.34
NetH1_35: H1.35
NetH1_36: H1.36
NetH1_37: H1.37
NetH1_38: H1.38
NetH1_39: H1.39
NetH1_40: H1.40
NetH1_41: H1.41
NetH1_42: H1.42
NetH1_43: H1.43
NetH1_44: H1.44
NetH1_45: H1.45
NetH1_46: H1.46
NetH1_47: H1.47
NetH1_48: H1.48
NetH2_19: H2.19
NetH2_20: H2.20
NetH2_23: H2.23
NetH2_24: H2.24
NetH2_25: H2.25
NetH2_26: H2.26
NetH2_27: H2.27
NetH2_28: H2.28
NetH2_29: H2.29
NetH2_30: H2.30
NetH2_31: H2.31
NetH2_32: H2.32
NetH2_33: H2.33
NetH2_34: H2.34